# Altium PCB LimeSDR-PCIe_1v2.PcbDoc (part 8 of 9) (continued)
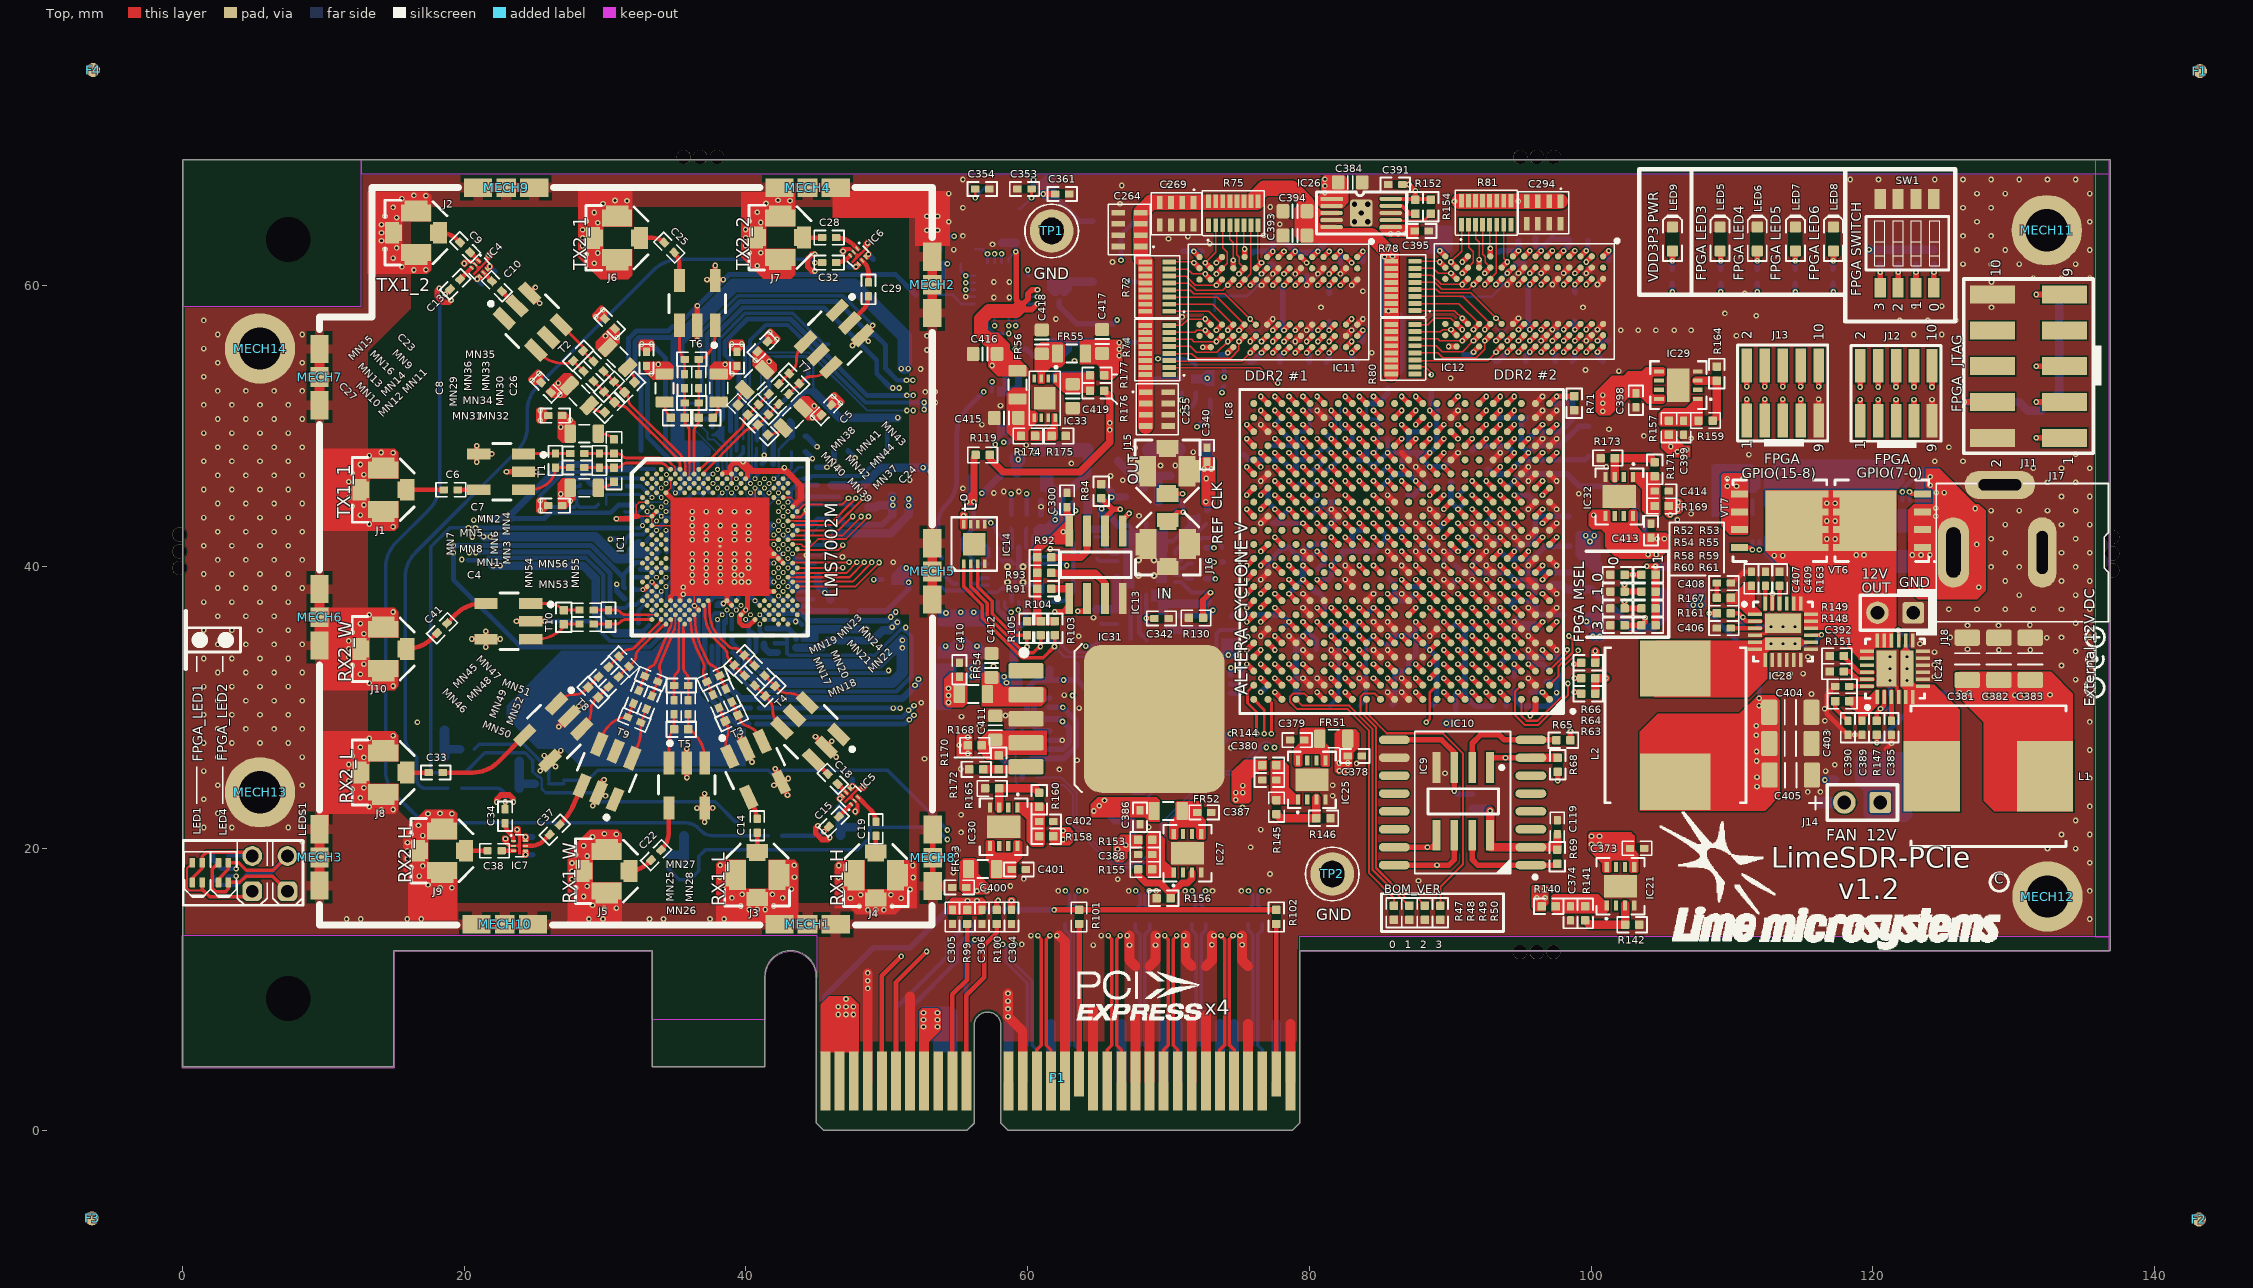
[diagram p0: Top view]
## Other copper (continued)
  pour cut-out: 60.425,6.3 60.425,13.708 61.15,13.708 61.15,6.3
  pour cut-out: 65.425,6.3 65.425,13.708 66.15,13.708 66.15,6.3
  pour cut-out: 66.875,6.3 66.875,13.708 66.15,13.708 66.15,6.3
  region net VCC3P3_CLK: 72.35,47.7 72.35,44.45 72.5,44.3 73.225,44.3 73.325,44.4 73.325,47.6 73.15,47.775 72.425,47.775
  region net VCC3P3: 69.375,23.425 69.15,23.65 64.975,23.65 64.475,23.15 64.475,22.225 68.325,22.225 68.625,21.925 69.375,21.925
  region net NetC387_2: 70.175,20.625 70.575,20.625 70.675,20.725 70.675,21.425 70.775,21.525 71.875,21.525 71.975,21.425 71.975,20.725 72.075,20.625 72.55,20.625 72.625,20.7 72.625,22 72.344,22.281 72.344,23.256 72.225,23.375 70.6,23.375 70.475,23.25 70.475,22.3 70.05,21.875 70.05,20.75
  region net NetC388_2: 70.525,17.95 70.075,17.95 69.875,18.15 70.375,18.65 70.525,18.65
  region net NetC388_2: 68.575,17.95 68.425,18.1 68.425,20.962 68.538,21.075 69.35,21.075 69.725,20.7 69.725,19.15 70.175,18.7 70.387,18.487 70.387,17.95 69.362,17.95
  region net VCC1P8_LMS: 74.5,23.4 74.5,25.45 75.375,26.325 76.912,26.325 76.963,26.275 76.963,25.575 76.913,25.525 76.425,25.525 75.875,24.975 75.875,23.4 75.7,23.225 74.675,23.225
  region net NetC380_2: 77.4,23.15 77.25,23.3 77.25,26.162 77.363,26.275 78.175,26.275 78.55,25.9 78.55,24.35 79,23.9 79.212,23.687 79.212,23.15 78.187,23.15
  region net VCC3P3: 82.875,25.275 82,25.275 81.8,25.475 81.8,28.2 82.075,28.475 83.275,28.475 83.55,28.2 83.55,27.225 83.125,26.8 83.125,26.375 83.05,26.3 83.05,25.45
  region net NetC380_2: 79.35,23.15 78.9,23.15 78.7,23.35 79.2,23.85 79.35,23.85
  region net NetC379_2: 79,25.825 79.4,25.825 79.5,25.925 79.5,26.625 79.6,26.725 80.7,26.725 80.8,26.625 80.8,25.925 80.9,25.825 81.375,25.825 81.45,25.9 81.45,27.2 81.169,27.481 81.169,28.456 81.05,28.575 79.425,28.575 79.3,28.45 79.3,27.5 78.875,27.075 78.875,25.95
  region net VCC3P3_PCIE: 58.6,15.65 58.6,16.45 58.7,16.55 59,16.55 59.1,16.45 59.1,15.65
  region net VCC3P3_PCIE: 54.3,15.35 54.3,16.175 54.625,16.5 56.825,16.5 57.05,16.275 57.05,15.65 56.75,15.35
  region net VCC12P0_PCIE: 111.15,46.425 110.925,46.65 109.375,46.65 109.225,46.5 109.225,42.925 109.85,42.3 111.075,42.3 111.15,42.375
  region net VCC3P3: 55.45,42.675 55.625,42.675 55.7,42.75 55.7,43.8 55.6,43.9 55.45,43.9
  region net VCC3P3: 55.45,42.675 55.275,42.675 55.2,42.75 55.2,43.8 55.3,43.9 55.45,43.9
  region net VCC3P3: 61.525,42.075 62.775,43.325 62.775,42.075
  region net VCC1P8_DDR2: 104.975,49.725 104.975,48.475 105.65,47.8 107.025,47.8 107.025,48.6 106.625,48.6 106,49.225 106,49.725
  region net VCC1P25_LMS_DIG: 56.05,28.025 55.9,28.175 55.1,28.175 54.95,28.025 54.95,26.575 55.075,26.45 55.9,26.45 56.05,26.6
  region net VCC3P3: 54.525,32.5 54.075,32.05 54.075,30.25 54.3,30.025 55.425,30.025 55.725,30.325 55.725,32.275 55.5,32.5
  region net VCC12P0: 121.675,41.125 121.675,35.801 119.349,33.475 119.025,33.475 116.975,35.525 115.125,35.525 115.125,36.775 115,36.9 114.25,36.9 114.25,39.25 114.25,40 113.963,40.287 113.213,40.288 112.375,41.125
  region net VCC12P0_PCIE: 111.125,45.45 111.15,45.425 111.15,42.375 111.075,42.3 109.85,42.3 109.75,42.4 109.75,45.4 109.8,45.45
  region net VCC12P0: 112.375,45.425 112.375,41.125 121.675,41.125 121.675,45.425
  region net NetC411_2: 61.35,28.375 57.15,28.375 56.45,27.675 56.45,26.975 57.1,26.325 58.3,26.325 58.3,26.475 58.525,26.7 58.55,26.675 61.35,26.675
  region net NetC412_2: 57.85,32.6 58,32.45 58,31.775 58.3,31.475 61.175,31.475 61.325,31.325 61.325,30.475 60.95,30.1 56.75,30.1 56.75,32.4 56.95,32.6
  region net GND: 39.608,47.225 39.05,47.225 38.963,47.313 39.15,47.5 39.65,47.5
  region net GND: 48.416,19.175 46.566,19.175 46.291,18.9 46.291,16.9 47.841,15.35 49.216,15.35 49.216,17.125 48.416,17.125
  region net GND: 50.016,19.175 51.866,19.175 52.141,18.9 52.141,16.9 50.591,15.35 49.216,15.35 49.216,17.125 50.016,17.125
  region net GND: 40,19.2 38.15,19.2 37.875,18.925 37.875,16.925 39.425,15.375 40.8,15.375 40.8,17.15 40,17.15
  region net GND: 41.6,19.2 43.45,19.2 43.725,18.925 43.725,16.925 42.175,15.375 40.8,15.375 40.8,17.15 41.6,17.15
  region net GND: 31.175,19.2 31.175,21.05 30.9,21.325 28.9,21.325 27.35,19.775 27.35,18.4 29.125,18.4 29.125,19.2
  region net GND: 31.175,17.6 31.175,15.75 30.9,15.475 28.9,15.475 27.35,17.025 27.35,18.4 29.125,18.4 29.125,17.6
  region net GND: 19.5,20.65 19.5,22.5 19.225,22.775 17.225,22.775 15.675,21.225 15.675,19.85 17.45,19.85 17.45,20.65
  region net GND: 19.5,19.05 19.5,17.2 19.225,16.925 17.225,16.925 15.675,18.475 15.675,19.85 17.45,19.85 17.45,19.05
  region net GND: 15.325,26.2 15.325,28.05 15.05,28.325 13.05,28.325 11.5,26.775 11.5,25.4 13.275,25.4 13.275,26.2
  region net GND: 15.325,24.6 15.325,22.75 15.05,22.475 13.05,22.475 11.5,24.025 11.5,25.4 13.275,25.4 13.275,24.6
  region net GND: 15.325,34.975 15.325,36.825 15.05,37.1 13.05,37.1 11.5,35.55 11.5,34.175 13.275,34.175 13.275,34.975
  region net GND: 15.325,33.375 15.325,31.525 15.05,31.25 13.05,31.25 11.5,32.8 11.5,34.175 13.275,34.175 13.275,33.375
  region net GND: 15.325,46.275 15.325,48.125 15.05,48.4 13.05,48.4 11.5,46.85 11.5,45.475 13.275,45.475 13.275,46.275
  region net GND: 15.325,44.675 15.325,42.825 15.05,42.55 13.05,42.55 11.5,44.1 11.5,45.475 13.275,45.475 13.275,44.675
  region net GND: 17.65,64.525 17.65,66.375 17.375,66.65 15.375,66.65 13.825,65.1 13.825,63.725 15.6,63.725 15.6,64.525
  region net GND: 17.65,62.925 17.65,61.075 17.375,60.8 15.375,60.8 13.825,62.35 13.825,63.725 15.6,63.725 15.6,62.925
  region net GND: 31.925,62.56 31.925,60.71 31.65,60.435 29.65,60.435 28.1,61.985 28.1,63.36 29.875,63.36 29.875,62.56
  region net GND: 31.925,64.16 31.925,66.01 31.65,66.285 29.65,66.285 28.1,64.735 28.1,63.36 29.875,63.36 29.875,64.16
  region net VCC12P0: 120.074,33.401 120.074,34.151 120.199,34.276 121.449,34.276 121.449,35.576 120.824,36.201 120.824,37.726 118.999,37.726 118.999,33.401
  region net NetC389_1: 118.324,30.776 119.699,30.776 120.199,31.276 120.449,31.276 120.449,30.276 119.474,29.301 119.474,28.926 118.974,28.926 118.974,29.526 118.324,30.176
  region net VCC3P3: 126.18,32.551 125.904,32.274 125.904,30.95 127.874,28.979 127.874,23.401 128.626,22.649 134.204,22.649 134.204,30.999 132.653,32.551
  region net NetC376_2: 122.199,31.276 121.974,31.501 121.974,34.051 122.199,34.276 122.199,34.501 122.449,34.501 122.449,34.276 122.874,33.851 122.874,31.851 123.074,31.651 124.374,31.651 126.179,29.846 126.179,23.626 122.299,23.626 122.199,23.726
  region net TXRF2_1AB_N: 35.924,47.181 35.874,47.531 35.924,47.531
  region net TXRF2_1AB_P: 36.365,47.206 36.415,47.556 36.365,47.556
  region net TXRF2_1AB_N: 36.049,47.231 36.074,47.506 36.049,47.506
  region net TXRF2_1AB_P: 36.24,47.231 36.215,47.506 36.24,47.506
  region net TXRF1_1AB_P: 34.686,47.231 34.761,47.231 34.861,47.131
  region net RXRF2_HAB_P: 34.649,35.931 34.524,35.731 34.649,35.731
  region net RXRF2_WAB_N: 33.274,36.556 33.099,36.506 33.099,36.556
  region net RXRF2_WAB_N: 33.274,36.651 33.099,36.701 33.099,36.651
  region net GND: 25.27,52.922 24.846,52.922 24.545,53.223 24.545,53.399 25.146,54 25.323,54 25.624,53.7 25.624,53.276
  region net VCC1P8_LMS: 26.172,52.021 27.162,52.021 28.099,52.957 28.099,53.17 27.533,53.735 27.073,53.735 25.765,52.427
  region net GND: 25.945,50.503 25.645,50.203 25.22,50.203 25.095,50.328 25.095,51.178 25.22,51.303 25.645,51.303 25.945,51.003
  region net GND: 42.124,40.606 41.424,40.606 41.424,41.106 41.724,41.106
  region net GND: 45.892,51.663 45.892,52.087 46.193,52.388 46.369,52.388 46.97,51.787 46.97,51.61 46.67,51.31 46.246,51.31
  region net RXRF2_HAB_N: 34.999,35.531 35.024,35.731 34.924,35.631
  region net VCC1P8_LMS: 39.594,54.001 38.894,53.301 37.569,53.301 37.419,53.451 37.419,54.251 37.744,54.576 39.594,54.576
  region net GND: 39.095,55.276 38.795,55.576 38.795,56.001 38.92,56.126 39.77,56.126 39.895,56.001 39.895,55.576 39.595,55.276
  region net GND: 41.367,56.189 41.367,56.613 41.667,56.913 41.844,56.913 42.445,56.312 42.445,56.136 42.144,55.835 41.72,55.835
  region net VCC1P8_LMS: 40.465,55.287 40.465,54.297 41.402,53.36 41.614,53.36 42.18,53.926 42.18,54.386 40.872,55.694
  region net VCC1P8_LMS: 32.695,54.001 33.395,53.301 34.72,53.301 34.87,53.451 34.87,54.251 34.545,54.576 32.695,54.576
  region net GND: 32.695,55.276 32.395,55.576 32.395,56.001 32.52,56.126 33.37,56.126 33.495,56.001 33.495,55.576 33.195,55.276
  region net GND: 29.796,57.448 29.371,57.448 29.071,57.748 29.071,57.925 29.672,58.526 29.849,58.526 30.149,58.225 30.149,57.801
  region net VCC1P8_LMS: 31.05,56.899 31.05,55.909 30.113,54.972 29.901,54.972 29.335,55.538 29.335,55.997 30.644,57.306
  region net VCC1P8_LMS: 27.22,51.002 27.92,50.302 27.92,48.977 27.77,48.827 26.97,48.827 26.645,49.152 26.645,51.002
  region net VCC1P8_LMS: 45.343,50.409 44.353,50.409 43.416,51.346 43.416,51.558 43.982,52.123 44.442,52.123 45.75,50.815
  region net GND: 25.945,44.103 25.645,43.803 25.22,43.803 25.095,43.928 25.095,44.778 25.22,44.903 25.645,44.903 25.945,44.603
  region net VCC1P8_LMS: 27.22,44.103 27.92,44.803 27.92,46.128 27.77,46.278 26.97,46.278 26.645,45.953 26.645,44.103
  region net VCC1P2: 113.4,30.55 113.05,30.9 111.85,30.9 110.525,29.575 104.725,29.575 103.45,28.3 103.45,22.7 112.35,22.7 113.4,23.75
  region net NetC396_2: 112.125,34.775 112.35,35 114.9,35 115.125,34.775 115.35,34.775 115.35,34.525 115.125,34.525 114.7,34.1 112.7,34.1 112.5,33.9 112.5,32.05 111.2,30.75 104.475,30.75 104.475,34.675 104.575,34.775
  region net NetC407_1: 111.625,38.9 111.625,37.275 112.125,36.775 112.125,36.525 111.125,36.525 110.3,37.35 109.625,37.35 109.625,38.1 110.175,38.1 110.975,38.9
  region net VTT_DDR2: 78.975,63.475 78.975,65.45 79.375,65.85 80.25,65.85 80.825,65.275 82.075,65.275 82.075,64.975 80.85,64.975 80.65,64.775 80.65,64.475 80.85,64.275 81.9,64.275 82.187,63.987 81.225,63.025 79.425,63.025
  region net VCC1P8_DDR2: 80.85,65.475 80.525,65.8 80.525,66.25 80.825,66.55 80.825,67.575 81.05,67.8 82.475,67.8 82.775,67.5 82.775,65.875 82.375,65.475
  region net VCC12P0_PCIE: 48,5.55 48,8.95 47.425,9.525 45.875,9.525 45.3,8.95 45.3,5.55
  region net NetC372_1: 122.9,44.45 122.5,44.05 122.5,38.4 123.2,37.7 127.4,37.7 128,38.3 128,43.975 127.525,44.45
  region net VREF_DDR2: 84.975,64.15 84.975,63.925 85.475,63.425 87.7,63.425 87.775,63.5 87.775,64.2 87.7,64.275 85.1,64.275
  region net VCC3P3_PCIE: 53,6.275 53.825,7.1 53.825,8.45 53.6,8.675 52.525,8.675 52.3,8.45 52.3,6.85 52.325,6.85 52.9,6.275
  region net NetC372_1: 124.275,44.45 124.275,45.475 124.175,45.575 123.9,45.575 123.775,45.7 123.775,46.975 124.75,46.975 127.275,44.45
  region net VCC3P3: 100.912,18.275 101.312,18.275 101.412,18.375 101.412,19.075 101.512,19.175 102.613,19.175 102.713,19.075 102.712,18.375 102.812,18.275 103.287,18.275 103.362,18.35 103.363,19.65 103.081,19.931 103.081,20.906 102.963,21.025 101.337,21.025 101.212,20.9 101.212,19.95 100.787,19.525 100.787,18.4
  region net NetC374_2: 101.262,15.6 100.812,15.6 100.612,15.8 101.112,16.3 101.262,16.3
  region net NetC374_2: 97.187,15.55 97.337,15.4 101.062,15.4 101.262,15.6 101.262,16.3 100.962,16.3 100.512,16.75 97.312,16.75 97.187,16.625
  region net VCC3P3: 101.031,18.694 99.825,19.9 99.825,21.05 99.925,21.15 102.838,21.15 102.963,21.025 102.963,19.525 102.613,19.175 101.512,19.175
  region net NetC401_2: 59.475,20.6 59.075,20.6 58.975,20.5 58.975,19.8 58.875,19.7 57.775,19.7 57.675,19.8 57.675,20.5 57.575,20.6 57.1,20.6 57.025,20.525 57.025,19.225 57.306,18.944 57.306,17.969 57.425,17.85 59.05,17.85 59.175,17.975 59.175,18.925 59.6,19.35 59.6,20.475
  region net NetC402_2: 59.125,23.275 59.575,23.275 59.775,23.075 59.275,22.575 59.125,22.575
  region net NetC402_2: 61.075,23.275 61.225,23.125 61.225,20.263 61.112,20.15 60.3,20.15 59.925,20.525 59.925,22.075 59.475,22.525 59.263,22.738 59.263,23.275 60.288,23.275
  region net VCC1P25_LMS: 61.525,21.225 61.8,21.5 63,21.5 63.25,21.25 63.25,20.5 63,20.25 61.8,20.25 61.525,20.525
  region net VCC3P3: 56.225,19.3 55.425,19.3 55.15,19.025 55.15,17.1 55.5,16.75 57.225,16.75 57.425,16.95 57.425,17.3 56.5,18.225 56.5,19.025
  region net VCC3P3: 103.175,44.05 102.775,44.05 102.675,43.95 102.675,43.25 102.575,43.15 101.475,43.15 101.375,43.25 101.375,43.95 101.275,44.05 100.8,44.05 100.725,43.975 100.725,42.675 101.006,42.394 101.006,41.419 101.125,41.3 102.75,41.3 102.875,41.425 102.875,42.375 103.3,42.8 103.3,43.925
  region net NetC414_2: 102.825,46.725 103.275,46.725 103.475,46.525 102.975,46.025 102.825,46.025
  region net NetC414_2: 104.775,46.725 104.925,46.575 104.925,43.713 104.812,43.6 104,43.6 103.625,43.975 103.625,45.525 103.175,45.975 102.963,46.188 102.963,46.725 103.988,46.725
  region net VCC3P3: 101.006,41.419 101.85,40.575 104.875,40.575 105.55,41.25 105.55,42.2 105.325,42.425 103.675,42.425 103.3,42.8 101.413,42.8 101.006,42.394
  region net VCC3P3: 100.725,42.675 100.075,42.675 99.825,42.925 99.825,43.775 100.1,44.05 100.8,44.05
  region net VCC3P3: 105.25,51.725 105.25,52.125 105.15,52.225 104.45,52.225 104.35,52.325 104.35,53.425 104.45,53.525 105.15,53.525 105.25,53.625 105.25,54.1 105.175,54.175 103.875,54.175 103.594,53.894 102.619,53.894 102.5,53.775 102.5,52.15 102.625,52.025 103.575,52.025 104,51.6 105.125,51.6
  region net NetC399_2: 107.925,52.075 107.925,51.625 107.725,51.425 107.225,51.925 107.225,52.075
  region net NetC399_2: 107.925,50.125 107.775,49.975 104.913,49.975 104.8,50.088 104.8,50.9 105.175,51.275 106.725,51.275 107.175,51.725 107.388,51.937 107.925,51.937 107.925,50.912
  region net VCC3P3: 102.625,52.025 101.375,50.775 100.575,50.775 100.325,51.025 100.325,52.425 101.475,53.575 102.3,53.575 102.625,53.9
  region net VCC1P8: 105.212,44.675 105.388,44.85 106.325,44.85 106.5,44.675 106.5,43.95 106.325,43.775 106,43.775 105.7,43.475 105.45,43.475 105.212,43.713
  region net VCC2P5: 96.787,15.55 96.05,15.55 95.775,15.825 95.775,17.325 95.85,17.4 96.95,17.4 96.975,17.375 96.975,16.087 96.787,15.9
  region net VCC1P4_LMS: 68.138,20.975 67.325,20.975 66.6,20.975 66.075,20.45 66.075,19.2 66.25,19.025 66.775,19.025 67.075,19.325 67.075,19.7 67.375,20 67.863,20 68.138,20.275
  region net VCC3P3_LMK: 56.425,45.125 56.425,44.525 56.275,44.375 55.525,44.375 55.45,44.45 55.45,44.8 55.975,45.325 56.225,45.325
  region net NetC415_2: 60.7,50.9 60.7,50.325 60.025,49.65 60.025,48.95 59.125,48.95 58.875,49.2 58.887,49.212 58.887,52.675 58.937,52.725 59.9,52.725 60.1,52.525 60.1,51.225 60.25,51.075 60.525,51.075
  region net NetIC33_8: 61.725,50.875 61.725,50.1 61.3,49.675 60.25,49.675 60.225,49.65 60.225,48.95 62,48.95 62.15,49.1 62.15,50.8 62.075,50.875
  region net NetC418_2: 60.725,53.075 60.725,53.75 60.512,53.963 60.512,55.55 60.912,55.95 62.437,55.95 62.625,55.762 62.625,54.425 62.375,54.175 61.625,54.175 61.2,53.75 61.2,53.05 61.15,53 60.8,53
  region net VCC12P0: 63.687,56.125 66.625,56.125 66.725,56.025 66.725,53.975 66.05,53.3 65.275,53.3 65.125,53.45 65.125,54.175 64.9,54.4 63.687,54.4
  region net NetC415_2: 58.937,52.725 58.525,52.313 58.525,49.55 59,49.075
  region net NetC419_2: 62.55,52.35 61.825,53.075 61.825,53.675 61.95,53.8 64.725,53.8 64.725,52.35
  region net VCC3P3_CLK: 57.875,53.525 57.2,54.2 57.2,56.375 57.45,56.625 57.925,56.625 58.725,55.825 58.725,55.4 60.025,54.1 60.025,53.525
  region net GND: 13.05,48.4 9.55,48.4 9.55,42.55 13.05,42.55
  region net GND: 15.375,66.65 13.1,66.65 13.1,60.8 15.375,60.8
  region net GND: 28.1,64.735 28.1,66.675 31.925,66.675 31.925,64.725
  region net GND: 46.175,64.8 46.175,66.675 52.025,66.675 52.025,64.8
  region net GND: 52.025,62.8 54.475,62.8 54.475,66.675 52.025,66.675
  region net GND: 37.875,16.725 37.875,14.7 43.725,14.7 43.725,16.725
  region net GND: 27.35,17.025 27.35,14.55 31.175,14.55 31.175,17.025 31.05,17.025
  region net GND: 16.025,18.35 16.025,14.9 19.5,14.9 19.5,18.35
  region net GND: 13.05,28.325 9.575,28.325 9.575,22.475 13.05,22.475
  region net GND: 9.575,22.475 10.375,22.475 10.375,21.575 9.575,21.575
  region net GND: 13.05,37.1 9.725,37.1 9.725,31.25 13.05,31.25
  pour cut-out: 51.566,65.55 51.566,45.928 43.45,45.928 43.45,36.604 51.566,36.604 51.566,16.15 16.375,16.15 16.375,21.7 15.325,22.75 13.175,22.75 13.175,55.275 16.225,58.325 16.225,65.55
  region net GND: 46.291,16.9 46.291,15.775 52.141,15.775 52.141,16.9
  region net GND: 37.875,16.925 37.875,15.85 43.725,15.85 43.725,16.925
L2:
  pour cut-out: 70.715,44.6 70.715,45.8 69.14,45.8 69.14,44.6
  pour cut-out: 69.16,43.825 69.16,42.625 70.735,42.625 70.735,43.825
  region net VCC12P0_PCIE: 111.75,41.05 111.75,41.625 109.35,44.025 109.35,46.45 109.675,46.775 112.1,46.775 112.625,46.25 112.625,41.35 112.325,41.05
  region net NetC372_1: 122.9,45.125 122.65,44.875 122.3,45.085 122.3,45.55 122.55,45.775 122.9,45.775 122.9,46.8 121.75,45.55 121.75,43.975 121.75,39.15 123.2,37.7 127.4,37.7 128,38.3 128,43.975 127.525,44.45 127.1,44.45 124.75,46.8 122.9,46.8
  pour cut-out: 48.426,20.3 48.426,19.1 50.001,19.1 50.001,20.3
  pour cut-out: 40.01,20.325 40.01,19.125 41.585,19.125 41.585,20.325
  pour cut-out: 32.3,19.19 31.1,19.19 31.1,17.615 32.3,17.615
  pour cut-out: 20.625,20.64 19.425,20.64 19.425,19.065 20.625,19.065
  pour cut-out: 16.45,26.19 15.25,26.19 15.25,24.615 16.45,24.615
  pour cut-out: 16.45,34.965 15.25,34.965 15.25,33.39 16.45,33.39
  pour cut-out: 16.45,46.265 15.25,46.265 15.25,44.69 16.45,44.69
  pour cut-out: 18.775,64.515 17.575,64.515 17.575,62.94 18.775,62.94
  pour cut-out: 33.05,64.15 31.85,64.15 31.85,62.575 33.05,62.575
  pour cut-out: 41.865,27.011 41.158,28.529 40.455,28.201 41.163,26.683
  pour cut-out: 39.565,25.936 38.858,27.454 38.155,27.126 38.863,25.608
  pour cut-out: 39.485,24.264 40.193,22.746 40.895,23.074 40.187,24.592
  pour cut-out: 28.308,25.375 27.667,23.828 28.383,23.531 29.024,25.079
  pour cut-out: 29.525,28.313 28.884,26.766 29.6,26.469 30.241,28.017
  pour cut-out: 31.872,27.341 31.231,25.794 31.947,25.497 32.588,27.045
  pour cut-out: 45.66,25.993 44.475,27.177 43.927,26.629 45.112,25.445
  pour cut-out: 43.483,30.664 44.668,29.479 45.216,30.027 44.031,31.212
  pour cut-out: 41.687,28.868 42.872,27.683 43.42,28.231 42.235,29.416
  pour cut-out: 34.917,22.061 34.917,23.736 34.142,23.736 34.142,22.061
  pour cut-out: 37.457,25.241 37.457,26.916 36.682,26.916 36.682,25.241
  pour cut-out: 34.141,26.904 34.141,25.229 34.916,25.229 34.916,26.904
  pour cut-out: 23.987,27.186 25.171,28.37 24.623,28.918 23.439,27.734
  pour cut-out: 28.658,29.363 27.474,28.178 28.022,27.63 29.206,28.815
  pour cut-out: 26.862,31.159 25.678,29.974 26.226,29.426 27.41,30.611
  pour cut-out: 22.372,37.795 20.697,37.795 20.697,37.02 22.372,37.02
  pour cut-out: 25.552,37.795 23.877,37.795 23.877,37.02 25.552,37.02
  pour cut-out: 25.552,35.255 23.877,35.255 23.877,34.48 25.552,34.48
  pour cut-out: 21.721,45.87 20.046,45.87 20.046,45.095 21.721,45.095
  pour cut-out: 25.051,48.41 23.376,48.41 23.376,47.635 25.051,47.635
  pour cut-out: 25.051,45.87 23.376,45.87 23.376,45.095 25.051,45.095
  pour cut-out: 25.947,55.076 24.763,56.261 24.215,55.712 25.399,54.528
  pour cut-out: 27.743,56.872 26.559,58.057 26.011,57.509 27.195,56.324
  pour cut-out: 24.597,58.223 23.412,59.407 22.864,58.859 24.049,57.675
  pour cut-out: 35.663,56.32 35.663,57.995 34.888,57.995 34.888,56.32
  pour cut-out: 38.203,56.32 38.203,57.995 37.428,57.995 37.428,56.32
  pour cut-out: 35.663,59.5 35.663,61.175 34.888,61.175 34.888,59.5
  pour cut-out: 47.067,56.462 48.252,57.647 47.704,58.195 46.519,57.01
  pour cut-out: 45.717,53.316 46.901,54.5 46.353,55.048 45.169,53.864
  pour cut-out: 43.921,55.112 45.105,56.296 44.557,56.844 43.373,55.66
  pour cut-out: 44.625,64.165 43.425,64.165 43.425,62.59 44.625,62.59
L3:
  pour cut-out: 70.715,44.6 70.715,45.8 69.14,45.8 69.14,44.6
  pour cut-out: 70.715,44.6 70.715,45.8 69.14,45.8 69.14,44.6
  pour cut-out: 69.16,43.825 69.16,42.625 70.735,42.625 70.735,43.825
  pour cut-out: 69.16,43.825 69.16,42.625 70.735,42.625 70.735,43.825
  pour cut-out: 48.426,20.3 48.426,19.1 50.001,19.1 50.001,20.3
  pour cut-out: 48.426,20.3 48.426,19.1 50.001,19.1 50.001,20.3
  pour cut-out: 40.01,20.325 40.01,19.125 41.585,19.125 41.585,20.325
  pour cut-out: 40.01,20.325 40.01,19.125 41.585,19.125 41.585,20.325
  pour cut-out: 32.3,19.19 31.1,19.19 31.1,17.615 32.3,17.615
  pour cut-out: 32.3,19.19 31.1,19.19 31.1,17.615 32.3,17.615
  pour cut-out: 20.625,20.64 19.425,20.64 19.425,19.065 20.625,19.065
  pour cut-out: 20.625,20.64 19.425,20.64 19.425,19.065 20.625,19.065
  pour cut-out: 16.45,26.19 15.25,26.19 15.25,24.615 16.45,24.615
  pour cut-out: 16.45,26.19 15.25,26.19 15.25,24.615 16.45,24.615
  pour cut-out: 16.45,34.965 15.25,34.965 15.25,33.39 16.45,33.39
  pour cut-out: 16.45,34.965 15.25,34.965 15.25,33.39 16.45,33.39
  pour cut-out: 16.45,46.265 15.25,46.265 15.25,44.69 16.45,44.69
  pour cut-out: 16.45,46.265 15.25,46.265 15.25,44.69 16.45,44.69
  pour cut-out: 18.775,64.515 17.575,64.515 17.575,62.94 18.775,62.94
  pour cut-out: 18.775,64.515 17.575,64.515 17.575,62.94 18.775,62.94
  pour cut-out: 33.05,64.15 31.85,64.15 31.85,62.575 33.05,62.575
  pour cut-out: 33.05,64.15 31.85,64.15 31.85,62.575 33.05,62.575
  pour cut-out: 41.865,27.011 41.158,28.529 40.455,28.201 41.163,26.683
  pour cut-out: 39.565,25.936 38.858,27.454 38.155,27.126 38.863,25.608
  pour cut-out: 39.485,24.264 40.193,22.746 40.895,23.074 40.187,24.592
  pour cut-out: 28.308,25.375 27.667,23.828 28.383,23.531 29.024,25.079
  pour cut-out: 29.525,28.313 28.884,26.766 29.6,26.469 30.241,28.017
  pour cut-out: 31.872,27.341 31.231,25.794 31.947,25.497 32.588,27.045
  pour cut-out: 45.66,25.993 44.475,27.177 43.927,26.629 45.112,25.445
  pour cut-out: 43.483,30.664 44.668,29.479 45.216,30.027 44.031,31.212
  pour cut-out: 41.687,28.868 42.872,27.683 43.42,28.231 42.235,29.416
  pour cut-out: 34.917,22.061 34.917,23.736 34.142,23.736 34.142,22.061
  pour cut-out: 37.457,25.241 37.457,26.916 36.682,26.916 36.682,25.241
  pour cut-out: 34.141,26.904 34.141,25.229 34.916,25.229 34.916,26.904
  pour cut-out: 23.987,27.186 25.171,28.37 24.623,28.918 23.439,27.734
  pour cut-out: 28.658,29.363 27.474,28.178 28.022,27.63 29.206,28.815
  pour cut-out: 26.862,31.159 25.678,29.974 26.226,29.426 27.41,30.611
  pour cut-out: 22.372,37.795 20.697,37.795 20.697,37.02 22.372,37.02
  pour cut-out: 25.552,37.795 23.877,37.795 23.877,37.02 25.552,37.02
  pour cut-out: 25.552,35.255 23.877,35.255 23.877,34.48 25.552,34.48
  pour cut-out: 21.721,45.87 20.046,45.87 20.046,45.095 21.721,45.095
  pour cut-out: 25.051,48.41 23.376,48.41 23.376,47.635 25.051,47.635
  pour cut-out: 25.051,45.87 23.376,45.87 23.376,45.095 25.051,45.095
  pour cut-out: 25.947,55.076 24.763,56.261 24.215,55.712 25.399,54.528
  pour cut-out: 27.743,56.872 26.559,58.057 26.011,57.509 27.195,56.324
  pour cut-out: 24.597,58.223 23.412,59.407 22.864,58.859 24.049,57.675
  pour cut-out: 35.663,56.32 35.663,57.995 34.888,57.995 34.888,56.32
  pour cut-out: 38.203,56.32 38.203,57.995 37.428,57.995 37.428,56.32
  pour cut-out: 35.663,59.5 35.663,61.175 34.888,61.175 34.888,59.5
  pour cut-out: 47.067,56.462 48.252,57.647 47.704,58.195 46.519,57.01
  pour cut-out: 45.717,53.316 46.901,54.5 46.353,55.048 45.169,53.864
  pour cut-out: 43.921,55.112 45.105,56.296 44.557,56.844 43.373,55.66
  pour cut-out: 44.625,64.165 43.425,64.165 43.425,62.59 44.625,62.59
  pour cut-out: 44.625,64.165 43.425,64.165 43.425,62.59 44.625,62.59
L4:
  pour cut-out: 70.715,44.6 70.715,45.8 69.14,45.8 69.14,44.6
  pour cut-out: 69.16,43.825 69.16,42.625 70.735,42.625 70.735,43.825
  pour cut-out: 48.426,20.3 48.426,19.1 50.001,19.1 50.001,20.3
  pour cut-out: 40.01,20.325 40.01,19.125 41.585,19.125 41.585,20.325
  pour cut-out: 32.3,19.19 31.1,19.19 31.1,17.615 32.3,17.615
  pour cut-out: 20.625,20.64 19.425,20.64 19.425,19.065 20.625,19.065
  pour cut-out: 16.45,26.19 15.25,26.19 15.25,24.615 16.45,24.615
  pour cut-out: 16.45,34.965 15.25,34.965 15.25,33.39 16.45,33.39
  pour cut-out: 16.45,46.265 15.25,46.265 15.25,44.69 16.45,44.69
  pour cut-out: 18.775,64.515 17.575,64.515 17.575,62.94 18.775,62.94
  pour cut-out: 33.05,64.15 31.85,64.15 31.85,62.575 33.05,62.575
  pour cut-out: 41.865,27.011 41.158,28.529 40.455,28.201 41.163,26.683
  pour cut-out: 39.565,25.936 38.858,27.454 38.155,27.126 38.863,25.608
  pour cut-out: 39.485,24.264 40.193,22.746 40.895,23.074 40.187,24.592
  pour cut-out: 28.308,25.375 27.667,23.828 28.383,23.531 29.024,25.079
  pour cut-out: 29.525,28.313 28.884,26.766 29.6,26.469 30.241,28.017
  pour cut-out: 31.872,27.341 31.231,25.794 31.947,25.497 32.588,27.045
  pour cut-out: 45.66,25.993 44.475,27.177 43.927,26.629 45.112,25.445
  pour cut-out: 43.483,30.664 44.668,29.479 45.216,30.027 44.031,31.212
  pour cut-out: 41.687,28.868 42.872,27.683 43.42,28.231 42.235,29.416
  pour cut-out: 34.917,22.061 34.917,23.736 34.142,23.736 34.142,22.061
  pour cut-out: 37.457,25.241 37.457,26.916 36.682,26.916 36.682,25.241
  pour cut-out: 34.141,26.904 34.141,25.229 34.916,25.229 34.916,26.904
  pour cut-out: 23.987,27.186 25.171,28.37 24.623,28.918 23.439,27.734
  pour cut-out: 28.658,29.363 27.474,28.178 28.022,27.63 29.206,28.815
  pour cut-out: 26.862,31.159 25.678,29.974 26.226,29.426 27.41,30.611
  pour cut-out: 22.372,37.795 20.697,37.795 20.697,37.02 22.372,37.02
  pour cut-out: 25.552,37.795 23.877,37.795 23.877,37.02 25.552,37.02
  pour cut-out: 25.552,35.255 23.877,35.255 23.877,34.48 25.552,34.48
  pour cut-out: 21.721,45.87 20.046,45.87 20.046,45.095 21.721,45.095
  pour cut-out: 25.051,48.41 23.376,48.41 23.376,47.635 25.051,47.635
  pour cut-out: 25.051,45.87 23.376,45.87 23.376,45.095 25.051,45.095
  pour cut-out: 25.947,55.076 24.763,56.261 24.215,55.712 25.399,54.528
  pour cut-out: 27.743,56.872 26.559,58.057 26.011,57.509 27.195,56.324
  pour cut-out: 24.597,58.223 23.412,59.407 22.864,58.859 24.049,57.675
  pour cut-out: 35.663,56.32 35.663,57.995 34.888,57.995 34.888,56.32
  pour cut-out: 38.203,56.32 38.203,57.995 37.428,57.995 37.428,56.32
  pour cut-out: 35.663,59.5 35.663,61.175 34.888,61.175 34.888,59.5
  pour cut-out: 47.067,56.462 48.252,57.647 47.704,58.195 46.519,57.01
  pour cut-out: 45.717,53.316 46.901,54.5 46.353,55.048 45.169,53.864
  pour cut-out: 43.921,55.112 45.105,56.296 44.557,56.844 43.373,55.66
  pour cut-out: 44.625,64.165 43.425,64.165 43.425,62.59 44.625,62.59